# Altium PCB 4layers.PcbDoc (part 1 of 2) (continued)
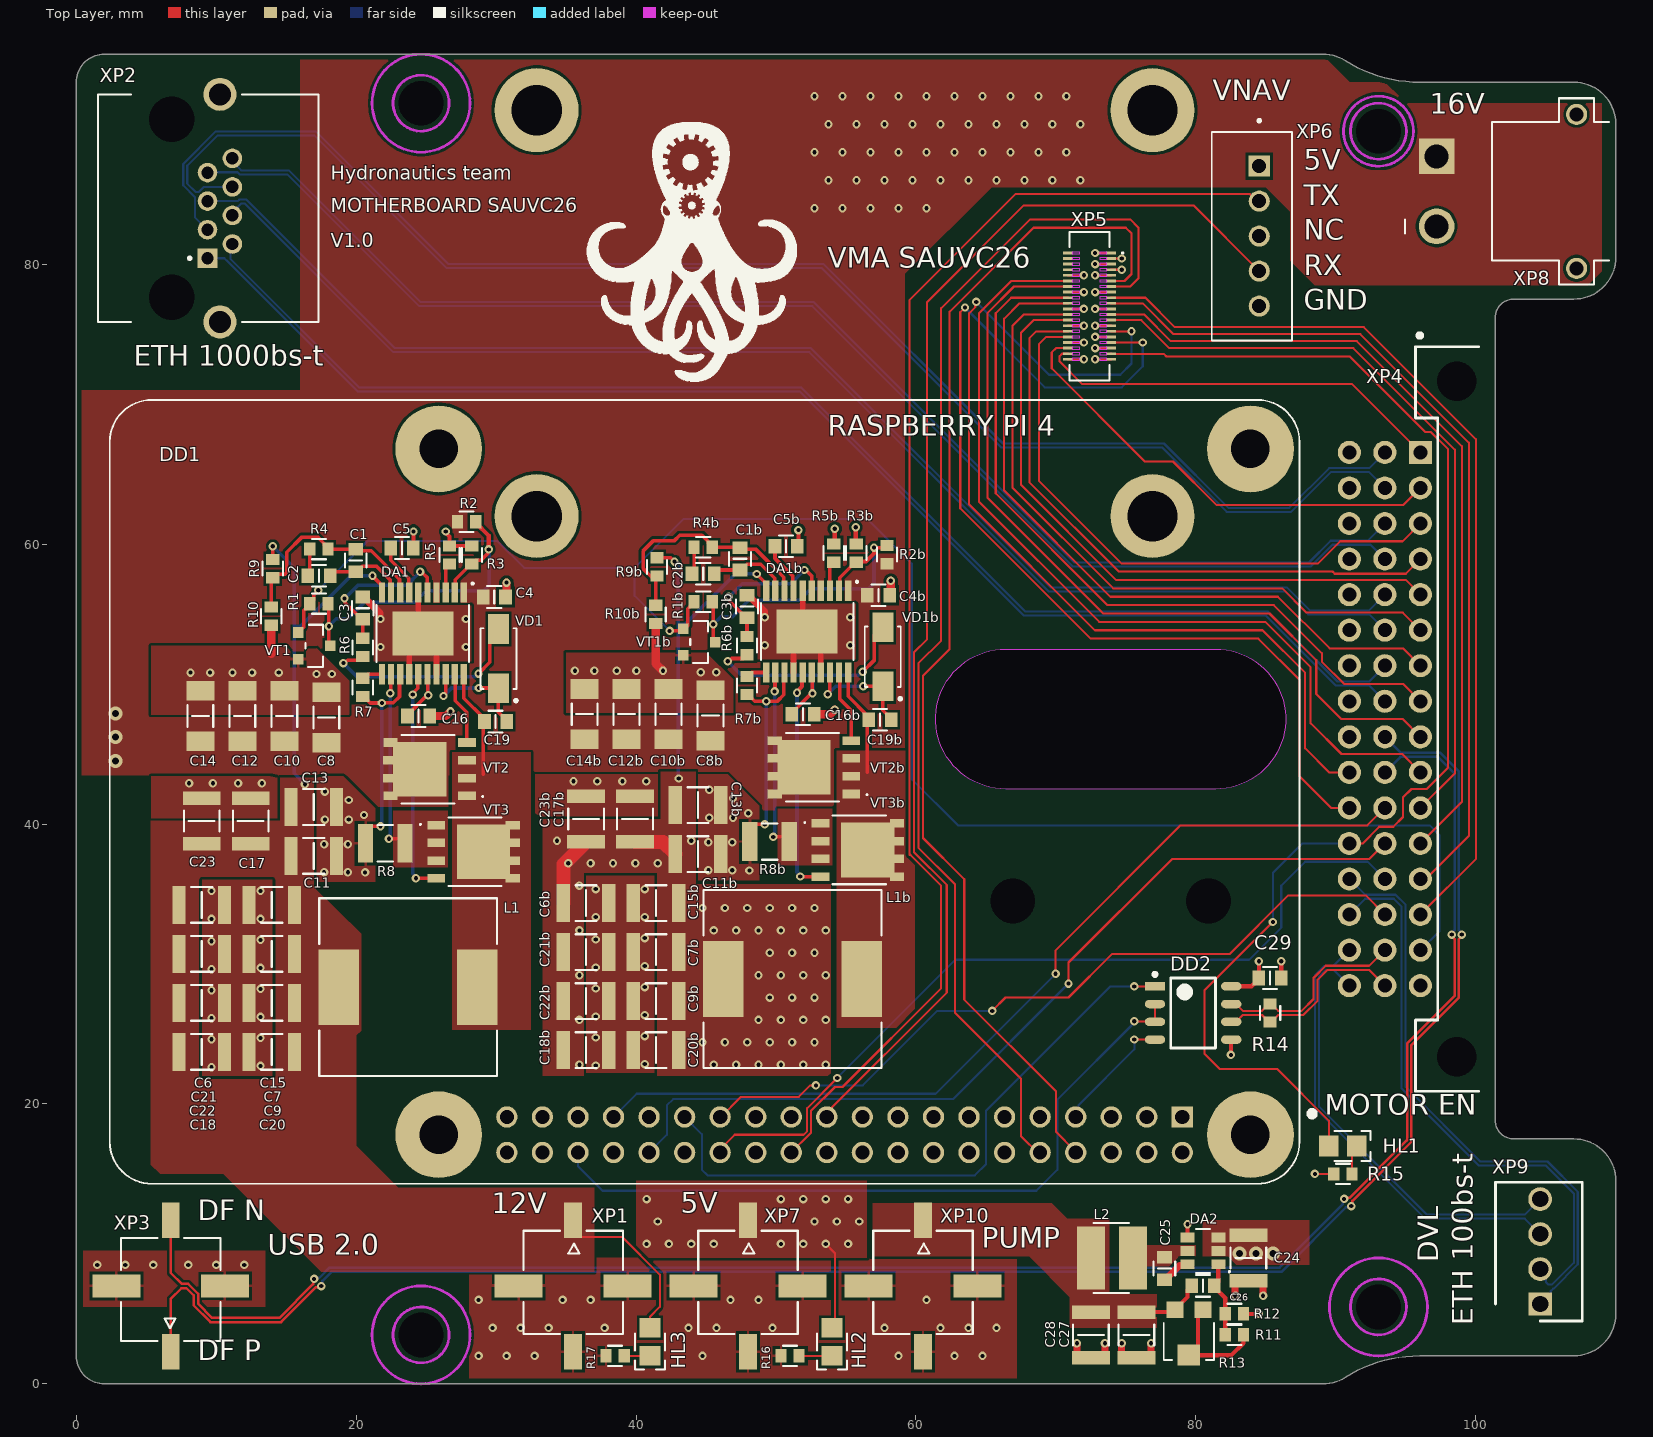
[diagram p0: Top Layer view]
## Design rules (kind name [scope] priority, off if disabled: settings) (continued)
SilkToSilkClearance Silk2SilkClearance [All] p1 off: silktosilkclearance=0.15
SilkToSolderMaskClearance Silk2SolderMaskClearance [IsPad] p1 off: minsilkscreentomaskgap=0.15 clearancetoexposedcopper=TRUE
SolderMaskExpansion vias [IsVia] p1: expansion=0.102 istentingtop=TRUE
SolderMaskExpansion "SolderMaskExpansion LDI" [All] p2: expansion=0.025 istentingtop=FALSE // Advance
SupplyNets "Schematic Supply Nets_7" [InNet('Killswitch indicator')] p1: voltage=0.000
SupplyNets "Schematic Supply Nets_3" [InNet('V_BAT_1')] p2: voltage=0.000
SupplyNets "Schematic Supply Nets" [InNet('V_BAT_2')] p3: voltage=0.000
SupplyNets "Schematic Supply Nets_6" [InNet('+5В')] p4: voltage=0.000
SupplyNets "Schematic Supply Nets_5" [InNet('GND')] p5: voltage=0.000
SupplyNets "Schematic Supply Nets_4" [InNet('+V_BAT')] p6: voltage=0.000
SupplyNets "Schematic Supply Nets_2" [InNet('+12В_JETSON')] p7: voltage=0.000
SupplyNets "Schematic Supply Nets_1" [InNet('+V_PUMP')] p8: voltage=0.000
UnRoutedNet [All] p1: checkbadconnections=TRUE
Width "Width 1/2 Oz" [All] p1: maxlimit=10 minlimit=0.125 preferedwidth=0.15 checkconnectedcopper=TRUE
19 further rules are at their usual default settings.

## Classes and differential pairs
net class USB: GA_N GA_P
net class Ethernet: "ETH 1_N" "ETH 1_P" "ETH 2_N" "ETH 2_P" "ETH 3_N" "ETH 3_P" "ETH 4_N" "ETH 4_P" eth_5_N eth_5_P eth_6_N eth_6_P
component class DCDC_pump: C24 C25 C26 C27 C28 DA2 L2 R11 R12 R13 XP10
component class DCDC_RPI: C1b C2b C3b C4b C5b C6b C7b C8b C9b C10b C11b C12b C13b C14b C15b C16b C17b C18b C19b C20b C21b C22b C23b DA1b L1b R1b R2b R3b R4b R5b R6b R7b R8b R9b R10b VD1b VT1b VT2b VT3b
component class DCDC_Jetson: C1 C2 C3 C4 C5 C6 C7 C8 C9 C10 C11 C12 C13 C14 C15 C16 C17 C18 C19 C20 C21 C22 C23 DA1 L1 R1 R2 R3 R4 R5 R6 R7 R8 R9 R10 VD1 VT1 VT2 VT3
component class Sheet1: 2 C29 DD1 DD2 R14
component class Connectors: HL1 HL2 HL3 R15 R16 R17 XP1 XP2 XP3 XP4 XP5 XP6 XP7 XP8 XP9
differential pair "ETH 4": +"ETH 4_P" -"ETH 4_N"
differential pair "ETH 3": +"ETH 3_P" -"ETH 3_N"
differential pair "ETH 2": +"ETH 2_P" -"ETH 2_N"
differential pair "ETH 1": +"ETH 1_P" -"ETH 1_N"
differential pair GA: +GA_P -GA_N
differential pair eth_6: +eth_6_P -eth_6_N
differential pair eth_5: +eth_5_P -eth_5_N
differential pair RS485: +RS485_P -RS485_N

## Components (designator, comment, footprint, x,y, rotation, side; value= is the part's Value field where it differs from the comment)
C1 "Capacitor" 0603C 19.969,58.817 r90 top value="0,01 н"
C1b "Capacitor" 0603C 47.427,58.948 r90 top value="0,01 н"
C2 "Capacitor" 0603C 17.342,57.744 r180 top value="0,15 н"
C2b "Capacitor" 0603C 44.8,57.875 r180 top value="0,15 н"
C3 "Capacitor" 0603C 20.469,55.417 r270 top value="0,75 н"
C3b "Capacitor" 0603C 47.927,55.548 r270 top value="0,75 н"
C4 "Capacitor" 0603C 29.869,56.217 r180 top value="0,1 мк"
C4b "Capacitor" 0603C 57.327,56.348 r180 top value="0,1 мк"
C5 "Capacitor" 0603C 23.269,59.717 r180 top value="10 н"
C5b "Capacitor" 0603C 50.727,59.848 r180 top value="10 н"
C6 "Capacitor" 1210C 8.969,34.217 r180 top value="22 мк"
C6b "Capacitor" 1210C 36.427,34.348 r180 top value="22 мк"
C7 "Capacitor" 1210C 13.969,30.717 r0 top value="22 мк"
C7b "Capacitor" 1210C 41.427,30.848 r0 top value="22 мк"
C8 "Capacitor" 1206C 17.869,47.617 r270 top value="2,2 мк"
C8b "Capacitor" 1206C 45.327,47.748 r270 top value="2,2 мк"
C9 "Capacitor" 1210C 13.969,27.217 r0 top value="22 мк"
C9b "Capacitor" 1210C 41.427,27.348 r0 top value="22 мк"
C10 "Capacitor" 1206C 14.869,47.717 r270 top value="2,2 мк"
C10b "Capacitor" 1206C 42.327,47.848 r270 top value="2,2 мк"
C11 "Capacitor" 1210C 16.969,37.717 r180 top value="22 мк"
C11b "Capacitor" 1210C 44.427,37.848 r180 top value="22 мк"
C12 "Capacitor" 1206C 11.869,47.717 r270 top value="2,2 мк"
C12b "Capacitor" 1206C 39.327,47.848 r270 top value="2,2 мк"
C13 "Capacitor" 1210C 16.969,41.217 r180 top value="22 мк"
C13b "Capacitor" 1210C 44.427,41.348 r180 top value="22 мк"
C14 "Capacitor" 1206C 8.869,47.717 r270 top value="2,2 мк"
C14b "Capacitor" 1206C 36.327,47.848 r270 top value="2,2 мк"
C15 "Capacitor" 1210C 13.969,34.217 r0 top value="22 мк"
C15b "Capacitor" 1210C 41.427,34.348 r0 top value="22 мк"
C16 "Capacitor" 0603C 24.469,47.717 r0 top value="1 мк"
C16b "Capacitor" 0603C 51.927,47.848 r0 top value="1 мк"
C17 "Capacitor" 1210C 12.469,40.217 r270 top value="22 мк"
C17b "Capacitor" 1210C 39.927,40.348 r270 top value="22 мк"
C18 "Capacitor" 1210C 8.969,23.717 r180 top value="22 мк"
C18b "Capacitor" 1210C 36.427,23.848 r180 top value="22 мк"
C19 "Capacitor" 0603C 29.969,47.317 r180 top value="1 мк"
C19b "Capacitor" 0603C 57.427,47.448 r180 top value="1 мк"
C20 "Capacitor" 1210C 13.969,23.717 r0 top value="22 мк"
C20b "Capacitor" 1210C 41.427,23.848 r0 top value="22 мк"
C21 "Capacitor" 1210C 8.969,30.717 r180 top value="22 мк"
C21b "Capacitor" 1210C 36.427,30.848 r180 top value="22 мк"
C22 "Capacitor" 1210C 8.969,27.217 r180 top value="22 мк"
C22b "Capacitor" 1210C 36.427,27.348 r180 top value="22 мк"
C23 "Capacitor" 1210C 8.969,40.217 r270 top value="22 мк"
C23b "Capacitor" 1210C 36.427,40.348 r270 top value="22 мк"
C24 "Capacitor" 1210C 83.75,9 r90 top value="10 мк"
C25 "Capacitor" 0603C 77.75,8.25 r90 top value="0,1 мк"
C26 "Capacitor" 0603C 80.5,7 r180 top value="100 п"
C27 "Capacitor" 1210C 75.75,3.5 r90 top value="22 мк"
C28 "Capacitor" 1210C 72.5,3.5 r90 top value="22 мк"
C29 "Capacitor" 0603C 85.3,29 r0 top value="0,1 мк"
DA1 "LM5116MH" HTSSOP-20 24.769,53.617 r270 top
DA1b "LM5116MH" HTSSOP-20 52.227,53.748 r270 top
DA2 "AP63200" TSOT26 80.5,9.5 r90 top
DD1 "RPI" RPI 44.9,42.3 r180 top locked
DD2 "MAX485CSA" SOIC-8 79.8,26.5 r0 top
HL1 "LED" 0805D 90.5,17 r0 top
HL2 "LED" 0805D 54,3 r270 top
HL3 "LED" 0805D 41,3 r270 top
L1 "CDSPRH127-150M" SPRH127 23.969,28.217 r180 top value="15 мк"
L1b "CDSPRH127-150M" SPRH127 51.427,28.798 r180 top value="15 мк"
L2 "SP43-150K" SP43 74,9 r180 top value="15 мк"
R1 "Resistor" 0603R 17.342,55.744 r0 top value=N/A
R1b "Resistor" 0603R 44.8,55.875 r0 top value=N/A
R2 "Resistor" 0603R 27.9,61.6 r180 top value="33 к"
R2b "Resistor" 0603R 57.927,59.248 r270 top value="33 к"
R3 "Resistor" 0603R 28.269,59.217 r270 top value="5.6 к"
R3b "Resistor" 0603R 55.727,59.348 r270 top value="5.6 к"
R4 "Resistor" 0603R 17.342,59.644 r0 top value="180 к"
R4b "Resistor" 0603R 44.8,59.775 r0 top value="180 к"
R5 "Resistor" 0603R 26.669,59.217 r270 top value="12,4 к"
R5b "Resistor" 0603R 54.127,59.348 r270 top value="12,4 к"
R6 "Resistor" 0603R 20.469,52.617 r90 top value="470 к"
R6b "Resistor" 0603R 47.927,52.748 r90 top value="470 к"
R7 "Resistor" 0603R 20.469,49.767 r270 top value="10 к"
R7b "Resistor" 0603R 47.927,49.898 r270 top value="10 к"
R8 "Resistor" 1210R 22.082,38.617 r0 top value="10 м"
R8b "Resistor" 1210R 49.54,38.748 r0 top value="10 м"
R9 "Resistor" 0603R 14.042,58.244 r90 top value="10,7 к"
R9b "Resistor" 0603R 41.5,58.375 r90 top value="4,7 к"
R10 "Resistor" 0603R 13.942,54.844 r90 top value="1,21 к"
R10b "Resistor" 0603R 41.4,54.975 r90 top value="1,5 к"
R11 "Resistor" 0603R 82.75,3.5 r0 top value="18 к"
R12 "Resistor" 0603R 82.75,5 r180 top value="3,9 к"
R13 "TC33X-2-503E" 3mm_trim 79.5,3.5 r270 top value="50 к"
R14 "Resistor" 0603R 85.3,26.5 r90 top value=120
R15 "Resistor" 0603R 90.5,15 r0 top value="2,2 к"
R16 "Resistor" 0603R 51,2 r0 top value="2,2 к"
R17 "Resistor" 0603R 38.5,2 r0 top value="10 к"
VD1 "ES1D-E3/61T" SMA 30.169,51.817 r90 top
VD1b "ES1D-E3/61T" SMA 57.627,51.948 r90 top
VT1 "PDTC114ET" SOT23-3 16.993,52.734 r0 top
VT1b "PDTC114ET" SOT23-3 44.5,53 r0 top
VT2 "SIR426DP-T1-GE3" PowerPAK_SO-8 25.369,43.917 r180 top
VT2b "SIR426DP-T1-GE3" PowerPAK_SO-8 52.827,44.048 r180 top
VT3 "SIR426DP-T1-GE3" PowerPAK_SO-8 28.269,38.017 r0 top
VT3b "SIR426DP-T1-GE3" PowerPAK_SO-8 55.727,38.148 r0 top
XP1 "430450218" Molex_430450218 35.5,7 r180 top
XP2 "1-406541-5" 1-406541-5 9,84 r270 top
XP3 "430450218" Molex_430450218 6.75,7 r0 top
XP4 "DIN41612_48_3row_right_angle_male" DIN41612_48_3row_right_angle_male 101.5,47.5 r90 top locked
XP5 "DF40C-40DS" DF40C-40DS 72.4,77 r90 top locked
XP6 "CWF-5" CWF-5 84,82 r90 top
XP7 "430450218" Molex_430450218 48,7 r180 top
XP8 "XT30PW-M" XT30PW-M 107.2,85.2 r270 top locked
XP9 "KK5045-04AG" KK5045-04AG 104.6,5.7 r270 top
XP10 "430450218" Molex_430450218 60.5,7 r180 top

## Footprints (in the part's own frame and the unit in brackets; to place one, negate y for a bottom-side part, rotate by r counter-clockwise, add the part's x,y. Pads: shape width x height; smd on the part's side, far side on the other; paste and mask are expansions set on the pad)
1-406541-5 [mm]
  rect 1.398x1.398 hole 0.89: 1(3.58,0.38)
  round 1.398 hole 0.89: 2(2.56,2.16) 3(1.54,0.38) 4(0.52,2.16) 5(-0.5,0.38) 6(-1.52,2.16) 7(-2.54,0.38) 8(-3.56,2.16)
  round 2.355 hole 1.57: MH1(8.13,1.27) MH2(-8.13,1.27)
  round 0 hole 3.25 unplated mask+1.725: ""(-6.35,-2.16) ""(6.35,-2.16)
  silkscreen extent -8.13,-7.44 8.13,8.3, body extent -8.14,-7.44 8.13,8.3, height 13.4
3mm_trim [mm]
  rect 1.2x1.2 smd: 1(-1.8,1) 3(-1.8,-1)
  rect 1.5x1.6 smd: 2(1.45,0)
  silkscreen extent -0.85,-1.8 1.8,1.8, body extent -1.9,-1.5 1.9,1.5, height 1.19
0603C [mm] "Chip Resistor, 2-Leads, Body 1,40x0,80mm, IPC Medium Density"
  rect 0.9x1.05 smd: 1(-0.8,0) 2(0.8,0)
  silkscreen extent -0.5,-0.77 0.5,0.77, body extent -0.85,-0.45 0.85,0.45, height 0.9
0603R [mm] "Chip Resistor, 2-Leads, Body 1.60x0.85mm, IPC Medium Density"
  rect 0.8x0.95 smd: 1(-0.65,0) 2(0.65,0)
  silkscreen extent -0.5,-0.72 0.5,0.72, body extent -0.87,-0.47 0.88,0.48, height 0.9
0805D [mm]
  rect 1.4x1.5 smd: 1(-1,0) 2(1,0)
  silkscreen extent -0.6,-1.07 1.97,1.07, body extent -1.07,-0.7 1.07,0.7, height 0.7
1206C [mm]
  rect 1.4x2 smd paste+0: 1(-1.8,0) 2(1.8,0)
  silkscreen extent -0.77,-0.92 0.77,0.92, body extent -1.6,-0.74 1.6,0.86, height 1.59
1210C [mm]
  rect 0.954x2.706 smd paste+0: 1(-1.625,0) 2(1.625,0)
  silkscreen extent -0.75,-1.28 0.75,1.28, body extent -2.35,-1.6 2.35,1.6, height 0.25
1210R [mm]
  rect 1.1x2.77 smd: 1(-1.413,0) 2(1.413,0)
  silkscreen extent -0.55,-1.3 0.55,1.3, body extent -1.55,-1.3 1.55,1.3, height 0.65
CWF-5 [mm] "B5B-XH-A"
  rect 1.508x1.508 / inner round 1.508 / far side rect 1.508x1.508 hole 1: 1(5,-0.525)
  round 1.508 hole 1: 2(2.5,-0.525) 3(0,-0.525) 4(-2.5,-0.525) 5(-5,-0.525)
  silkscreen extent -7.45,-2.88 8.35,2.88, body extent -7.45,-2.88 7.45,2.88, height 7
DF40C-40DS [mm]
  rect 0.2x0.7 smd paste-1: 1(3.8,-1.54) 2(3.8,1.54) 3(3.4,-1.54) 4(3.4,1.54) 5(3,-1.54) 6(3,1.54) 7(2.6,-1.54) 8(2.6,1.54) 9(2.2,-1.54) 10(2.2,1.54) 11(1.8,-1.54) 12(1.8,1.54) 13(1.4,-1.54) 14(1.4,1.54) 15(1,-1.54) 16(1,1.54) 17(0.6,-1.54) 18(0.6,1.54) 19(0.2,-1.54) 20(0.2,1.54) 21(-0.2,-1.54) 22(-0.2,1.54) 23(-0.6,-1.54) 24(-0.6,1.54) 25(-1,-1.54) 26(-1,1.54) 27(-1.4,-1.54) 28(-1.4,1.54) 29(-1.8,-1.54) 30(-1.8,1.54) 31(-2.2,-1.54) 32(-2.2,1.54) 33(-2.6,-1.54) 34(-2.6,1.54) 35(-3,-1.54) 36(-3,1.54) 37(-3.4,-1.54) 38(-3.4,1.54) 39(-3.8,-1.54) 40(-3.8,1.54)
  round 6 / inner round 4.5 / far side round 4.5 hole 3.6: NC(-15,39.5) NC(-15,-4.5) NC(14,-4.5) NC(14,39.5)
  Top Layer keep-out region: -3.9,-0.75 -3.7,-0.75 -3.7,-1.19 -3.9,-1.19
  Top Layer keep-out region: -3.9,1.19 -3.7,1.19 -3.7,0.75 -3.9,0.75
  Top Layer keep-out region: -3.5,-0.75 -3.3,-0.75 -3.3,-1.19 -3.5,-1.19
  Top Layer keep-out region: -3.5,1.19 -3.3,1.19 -3.3,0.75 -3.5,0.75
  Top Layer keep-out region: -3.1,-0.75 -2.9,-0.75 -2.9,-1.19 -3.1,-1.19
  Top Layer keep-out region: -3.1,1.19 -2.9,1.19 -2.9,0.75 -3.1,0.75
  Top Layer keep-out region: -2.7,-0.75 -2.5,-0.75 -2.5,-1.19 -2.7,-1.19
  Top Layer keep-out region: -2.7,1.19 -2.5,1.19 -2.5,0.75 -2.7,0.75
  Top Layer keep-out region: -2.3,-0.75 -2.1,-0.75 -2.1,-1.19 -2.3,-1.19
  Top Layer keep-out region: -2.3,1.19 -2.1,1.19 -2.1,0.75 -2.3,0.75
  Top Layer keep-out region: -1.9,-0.75 -1.7,-0.75 -1.7,-1.19 -1.9,-1.19
  Top Layer keep-out region: -1.9,1.19 -1.7,1.19 -1.7,0.75 -1.9,0.75
  Top Layer keep-out region: -1.5,-0.75 -1.3,-0.75 -1.3,-1.19 -1.5,-1.19
  Top Layer keep-out region: -1.5,1.19 -1.3,1.19 -1.3,0.75 -1.5,0.75
  Top Layer keep-out region: -1.1,-0.75 -0.9,-0.75 -0.9,-1.19 -1.1,-1.19
  Top Layer keep-out region: -1.1,1.19 -0.9,1.19 -0.9,0.75 -1.1,0.75
  Top Layer keep-out region: -0.7,-0.75 -0.5,-0.75 -0.5,-1.19 -0.7,-1.19
  Top Layer keep-out region: -0.7,1.19 -0.5,1.19 -0.5,0.75 -0.7,0.75
  Top Layer keep-out region: -0.3,-0.75 -0.1,-0.75 -0.1,-1.19 -0.3,-1.19
  Top Layer keep-out region: -0.3,-0.75 -0.1,-0.75 -0.1,-1.19 -0.3,-1.19
  Top Layer keep-out region: -0.3,1.19 -0.1,1.19 -0.1,0.75 -0.3,0.75
  Top Layer keep-out region: -0.3,1.19 -0.1,1.19 -0.1,0.75 -0.3,0.75
  Top Layer keep-out region: -0.3,1.19 -0.1,1.19 -0.1,0.75 -0.3,0.75
  Top Layer keep-out region: -0.3,-0.75 -0.1,-0.75 -0.1,-1.19 -0.3,-1.19
  Top Layer keep-out region: 0.1,-0.75 0.3,-0.75 0.3,-1.19 0.1,-1.19
  Top Layer keep-out region: 0.1,1.19 0.3,1.19 0.3,0.75 0.1,0.75
  Top Layer keep-out region: 0.5,-0.75 0.7,-0.75 0.7,-1.19 0.5,-1.19
  Top Layer keep-out region: 0.5,1.19 0.7,1.19 0.7,0.75 0.5,0.75
  Top Layer keep-out region: 0.9,-0.75 1.1,-0.75 1.1,-1.19 0.9,-1.19
  Top Layer keep-out region: 0.9,1.19 1.1,1.19 1.1,0.75 0.9,0.75
  Top Layer keep-out region: 1.3,-0.75 1.5,-0.75 1.5,-1.19 1.3,-1.19
  Top Layer keep-out region: 1.7,1.19 1.9,1.19 1.9,0.75 1.7,0.75
  Top Layer keep-out region: 2.1,-0.75 2.3,-0.75 2.3,-1.19 2.1,-1.19
  Top Layer keep-out region: 2.1,1.19 2.3,1.19 2.3,0.75 2.1,0.75
  Top Layer keep-out region: 2.5,-0.75 2.7,-0.75 2.7,-1.19 2.5,-1.19
  Top Layer keep-out region: 2.5,1.19 2.7,1.19 2.7,0.75 2.5,0.75
  Top Layer keep-out region: 2.9,-0.75 3.1,-0.75 3.1,-1.19 2.9,-1.19
  Top Layer keep-out region: 2.9,1.19 3.1,1.19 3.1,0.75 2.9,0.75
  Top Layer keep-out region: 3.3,-0.75 3.5,-0.75 3.5,-1.19 3.3,-1.19
  Top Layer keep-out region: 3.3,1.19 3.5,1.19 3.5,0.75 3.3,0.75
  Top Layer keep-out region: 3.7,-0.75 3.9,-0.75 3.9,-1.19 3.7,-1.19
  Top Layer keep-out region: 3.7,1.19 3.9,1.19 3.9,0.75 3.7,0.75
  Top Layer keep-out region: 1.3,1.19 1.5,1.19 1.5,0.75 1.3,0.75
  Top Layer keep-out region: 1.7,-0.75 1.9,-0.75 1.9,-1.19 1.7,-1.19
  silkscreen extent -5.3,-2.42 5.3,1.44, body extent -18,-7.5 17,42.5, height 11.46
DIN41612_48_3row_right_angle_male [mm]
  rect 1.65x1.65 hole 1: A1(19.05,5.46)
  round 1.65 hole 1: A2(16.51,5.46) A3(13.97,5.46) A4(11.43,5.46) A5(8.89,5.46) A6(6.35,5.46) A7(3.81,5.46) A8(1.27,5.46) A9(-1.27,5.46) A10(-3.81,5.46) A11(-6.35,5.46) A12(-8.89,5.46) A13(-11.43,5.46) A14(-13.97,5.46) A15(-16.51,5.46) A16(-19.05,5.46) B1(19.05,8) B2(16.51,8) B3(13.97,8) B4(11.43,8) B5(8.89,8) B6(6.35,8) B7(3.81,8) B8(1.27,8) B9(-1.27,8) B10(-3.81,8) B11(-6.35,8) B12(-8.89,8) B13(-11.43,8) B14(-13.97,8) B15(-16.51,8) B16(-19.05,8) C1(19.05,10.54) C2(16.51,10.54) C3(13.97,10.54) C4(11.43,10.54) C5(8.89,10.54) C6(6.35,10.54) C7(3.81,10.54) C8(1.27,10.54) C9(-1.27,10.54) C10(-3.81,10.54) C11(-6.35,10.54) C12(-8.89,10.54) C13(-11.43,10.54) C14(-13.97,10.54) C15(-16.51,10.54) C16(-19.05,10.54)
  round 0 hole 2.8 unplated mask+1.5: ""(-24.13,2.86) ""(24.13,2.86)
  silkscreen extent -26.6,1.3 27.55,5.8, body extent -26.63,-7.24 26.63,10.84, height 9.3
HTSSOP-20 [mm]
  rect 1.45x0.45 smd: 1(-2.925,2.925) 2(-2.925,2.275) 3(-2.925,1.625) 4(-2.925,0.975) 5(-2.925,0.325) 6(-2.925,-0.325) 7(-2.925,-0.975) 8(-2.925,-1.625) 9(-2.925,-2.275) 10(-2.925,-2.925) 11(2.925,-2.925) 12(2.925,-2.275) 13(2.925,-1.625) 14(2.925,-0.975) 15(2.925,-0.325) 16(2.925,0.325) 17(2.925,0.975) 18(2.925,1.625) 19(2.925,2.275) 20(2.925,2.925)
  rect 3.15x4.35 smd: 21(0,0)
  silkscreen extent -3.61,-3.3 2.03,3.61, body extent -3.21,-3.25 3.21,3.25, height 1
KK5045-04AG [mm]
  rect 1.65x1.65 / inner round 1.65 / far side rect 1.65x1.65 hole 1.15: 1(0,0)
  round 1.7 hole 1.15: 2(-2.5,0) 3(-5,0) 4(-7.5,0)
  silkscreen extent -8.7,-3.2 1.2,3, body extent -8.5,-3.2 1,2.6, height 11.75
Molex_430450218 [mm]
  rect 3.43x1.65 smd mask+0.076: 0(-3.885,0) 0(3.885,0)
  rect 1.27x2.54 smd mask+0.076: 1(0,-4.7) 2(0,4.7)
  silkscreen extent -3.56,-3.94 3.56,3.43, body extent -5.32,-5.6 5.33,5.6, height 9.96
PowerPAK_SO-8 [mm]
  rect 1.27x0.61 smd: 1(-2.543,1.905) 2(-2.543,0.635) 3(-2.543,-0.635) 4(-2.543,-1.905)
  rect 1.02x0.61 smd: 5(2.921,-1.905) 8(2.921,1.905)
  rect 0.71x0.61 smd: 6(3.077,-0.635) 7(3.077,0.635)
  rect 3.81x3.91 smd: 9(0.83,0)
  silkscreen extent -3.72,-2.45 2.13,2.45, body extent -2.95,-2.58 3.2,2.58, height 1.12
RPI [mil]
  rect 60x60 / inner round 60 / far side rect 60x60 hole 40: 1(-1343.7,914.57)
  round 60 hole 40: 2(-1343.7,1014.57) 3(-1243.7,914.57) 4(-1243.7,1014.57) 5(-1143.7,914.57) 6(-1143.7,1014.57) 7(-1043.7,914.57) 8(-1043.7,1014.57) 9(-943.7,914.57) 10(-943.7,1014.57) 11(-843.7,914.57) 12(-843.7,1014.57) 13(-743.7,914.57) 14(-743.7,1014.57) 15(-643.7,914.57) 16(-643.7,1014.57) 17(-543.7,914.57) 18(-543.7,1014.57) 19(-443.7,914.57) 20(-443.7,1014.57) 21(-343.7,914.57) 22(-343.7,1014.57) 23(-243.7,914.57) 24(-243.7,1014.57) 25(-143.7,914.57) 26(-143.7,1014.57) 27(-43.7,914.57) 28(-43.7,1014.57) 29(56.3,914.57) 30(56.3,1014.57) 31(156.3,914.57) 32(156.3,1014.57) 33(256.3,914.57) 34(256.3,1014.57) 35(356.3,914.57) 36(356.3,1014.57) 37(456.3,914.57) 38(456.3,1014.57) 39(556.3,914.57) 40(556.3,1014.57)
  round 244.09 hole 108.27: S1(-1535.43,964.57) S2(748.03,964.57) S3(748.03,-964.57) S4(-1535.43,-964.57)
  silkscreen extent -1717,-1102 1673,1102, body extent -1680,-1188 1777,1095, height 1122
SMA [mm]
  rect 2.12x1.5 smd: 1(2.115,0) 2(-2.115,0)
  silkscreen extent -3.1,-1.35 2.16,1.28, body extent -2.57,-1.28 2.57,1.28, height 2.5
SOIC-8 [mm] "for operational amplifier"
  rect 1.45x0.6 smd: 1(-2.725,1.905)
  oval 1.45x0.6 smd: 2(-2.725,0.635) 3(-2.725,-0.635) 4(-2.725,-1.905) 5(2.725,-1.905) 6(2.725,-0.635) 7(2.725,0.635) 8(2.725,1.905)
  silkscreen extent -2.85,-2.5 1.6,2.88, body extent -3,-2.5 3,2.5, height 1.75
SOT23-3 [mil]
  rect 30x30 smd: 1(-44.29,37.4) 2(-44.29,-37.6) 3(45.71,-0.1)
  silkscreen extent -25,-59 26,59, body extent -48,-60 50,59, height 41
SP43 [mm]
  rect 2x4.5 smd: 1(-1.5,0) 2(1.5,0)
  silkscreen extent -1.2,-2.5 1.3,2.5, body extent -2,-2.22 2,2.22, height 3.19
SPRH127 [mm]
  rect 2.9x5.4 smd: 1(-4.696,-0.127) 2(5.204,-0.127)
  silkscreen extent -6.1,-6.48 6.6,6.22, body extent -5.75,-6.13 6.25,5.87, height 8.05
TSOT26 [mm]
  rect 0.7x1 smd: 1(-0.95,-1.1) 2(0,-1.1) 3(0.95,-1.1) 4(0.95,1.1) 5(0,1.1) 6(-0.95,1.1)
  silkscreen extent -1.58,-1.95 1.57,0.5, body extent -1.5,-1.4 1.5,1.4, height 1.01
XT30PW-M [mm]
  round 1.508 hole 1: 0(-5.5,0) 0(5.5,0)
  round 2.55 hole 1.7: N(2.5,-10)
  rect 2.55x2.55 / inner round 2.55 / far side rect 2.55x2.55 hole 1.7: P(-2.5,-10)
  silkscreen extent -6.65,-12.25 6.65,2.32, body extent -6.65,-11 6.65,2.95, height 5

## Part data
C1 C1b: library part Capacitor_0,01n_10_50V_X7R_0603C, "Конденсатор", Capacity (nF)=0,01, Dielectric=X7R, Tolerance=0,1, Voltage (V)=50, Library Path2=Schematic\Capacitor.SchLib, Part Number=Capacitor_0,01n_10_50V_X7R_0603C
C2 C2b: library part Capacitor_0,15n_10_50V_X7R_0603C, "Конденсатор", Capacity (nF)=0,15, Dielectric=X7R, Tolerance=0,1, Voltage (V)=50, Library Path2=Schematic\Capacitor.SchLib, Part Number=Capacitor_0,15n_10_50V_X7R_0603C
C3 C3b: library part Capacitor_0,75n_10_50V_X7R_0603C, "Конденсатор", Capacity (nF)=0,75, Dielectric=X7R, Tolerance=0,1, Voltage (V)=50, Library Path2=Schematic\Capacitor.SchLib, Part Number=Capacitor_0,75n_10_50V_X7R_0603C
C4 C4b C25: library part Capacitor_0,1u_10_50V_X7R_0603C, "Конденсатор", Capacity (nF)=100, Dielectric=X7R, Tolerance=0,1, Voltage (V)=50, Library Path2=Schematic\Capacitor.SchLib, Part Number=Capacitor_0,1u_10_50V_X7R_0603C
C5 C5b: library part Capacitor_10n_10_50V_X7R_0603C, "Конденсатор", Capacity (nF)=10, Dielectric=X7R, Tolerance=0,1, Voltage (V)=50, Library Path2=Schematic\Capacitor.SchLib, Part Number=Capacitor_10n_10_50V_X7R_0603C
C6 C6b C7 C7b C9 C9b C11 C11b C13 C13b C15 C15b C17 C17b C18 C18b C20 C20b C21 C21b C22 C22b C23 C23b C27 C28: library part Capacitor_22u_10_25V_X7R_1210C, "Конденсатор", Capacity (nF)=22000, Dielectric=X7R, Tolerance=0,1, Voltage (V)=25, Library Path2=Schematic\Capacitor.SchLib, Part Number=Capacitor_22u_10_25V_X7R_1210C
C8 C8b C10 C10b C12 C12b C14 C14b: library part Capacitor_2,2u_10_50V_X7R_1206C, "Конденсатор", Capacity (nF)=2200, Dielectric=X7R, Tolerance=0,1, Voltage (V)=50, Library Path2=Schematic\Capacitor.SchLib, Part Number=Capacitor_2,2u_10_50V_X7R_1206C
C16 C16b C19 C19b: library part Capacitor_1u_10_50V_X7R_0603C, "Конденсатор", Capacity (nF)=1000, Dielectric=X7R, Tolerance=0,1, Voltage (V)=50, Library Path2=Schematic\Capacitor.SchLib, Part Number=Capacitor_1u_10_50V_X7R_0603C
C24: library part Capacitor_10u_10_35V_X7R_1210C, "Конденсатор", Capacity (nF)=10000, Dielectric=X7R, Tolerance=0,1, Voltage (V)=35, Library Path2=Schematic\Capacitor.SchLib, Part Number=Capacitor_10u_10_35V_X7R_1210C
C26: library part Capacitor_100p_10_50V_X7R_0603C, "Конденсатор", Capacity (nF)=0,1, Dielectric=X7R, Voltage (V)=50, Library Path2=Schematic\Capacitor.SchLib, Part Number=Capacitor_100p_10_50V_X7R_0603C, Tolerance=0,1
C29: library part Capacitor_0,1u_10_50V_X7R_0603C, "Конденсатор 0603C ёмкостью 0,1 мк 10%, 50 В, X7R", Capacity (nF)=100, Dielectric=X7R, Tolerance=10%, Voltage (V)=50, Part Number=Capacitor_0,1u_10_50V_X7R_0603C
DA1 DA1b: "dc-dc понижающий adj 6-100v", Manufacturer_Part_Number=LM5116MH/NOPB, Part Number=LM5116MH
DA2: "DC-DC понижающий преобразователь, Vin: 3.8 - 40 В, adj, 2 А", Part Number=AP63200
DD1: "Одноплатный компьютер Raspberry PI 4B", Part Number=RPI
DD2: "RS-485 приёмопередатчик", Part Number=MAX485CSA
HL1 HL2 HL3: "Светодиод", Color={Цвет}, Part Number=LED
L1 L1b: "Индуктивность на 15 мкГн, номинальный ток 8,4 А", Current (A)=8,4, Inductance (μH)=15, Part Number=CDSPRH127-150M
L2: "Индуктивность на 15 мкГн, номинальный ток 1,3 А", Current (A)=1,3, Inductance (μH)=15, Part Number=SP43-150K
R1 R1b: library part res_0603_N/A, "посадочное место 0603 под перемычку", Tolerance=1%, Part Number=res_0603_N/A
R2 R2b: library part Resistor_33k_1_0603, "Резистор номиналом 33 кОм и точностью 1%", Tolerance=1%, Part Number=Resistor_33k_1_0603
R3 R3b: library part Resistor_2.7k_1_0603, "Резистор номиналом 2,7 кОм и точностью 1%", Tolerance=1%, Part Number=Resistor_2.7k_1_0603
R4 R4b: library part Resistor_180k_1_0603, "Резистор номиналом 180 кОм и точностью 1%", Tolerance=1%, Part Number=Resistor_180k_1_0603
R5 R5b: library part Resistor_12.4k_1_0603, "Резистор номиналом 12,4 кОм и точностью 1%", Tolerance=1%, Part Number=Resistor_12.4k_1_0603
R6 R6b: library part Resistor_470k_1_0603, "Резистор номиналом 470 кОм и точностью 1%", Tolerance=1%, Part Number=Resistor_470k_1_0603
R7 R7b: library part Resistor_10k_1_0603, "Резистор номиналом 10 кОм и точностью 1%", Tolerance=1%, Part Number=Resistor_10k_1_0603
R8 R8b: library part RL1210FR-070R01L, "Резистор номиналом 10 мОм, точностью 1%, 0.5Вт", Tolerance=1%, Part Number=RL1210FR-070R01L
R9: library part Resistor_10.7k_1_0603, "Резистор номиналом 10,7 кОм и точностью 1%", Tolerance=1%, Part Number=Resistor_10.7k_1_0603
R9b: library part Resistor_4.7k_1_0603, "Резистор номиналом 4,7 кОм и точностью 1%", Tolerance=1%, Part Number=Resistor_4.7k_1_0603
R10: library part Resistor_1.21k_1_0603, "Резистор номиналом 1,21 кОм и точностью 1%", Tolerance=1%, Part Number=Resistor_1.21k_1_0603
R10b: library part Resistor_1.5k_1_0603, "Резистор номиналом 1,5 кОм и точностью 1%", Tolerance=1%, Part Number=Resistor_1.5k_1_0603
R11: library part Resistor_18k_1_0603, "Резистор номиналом 18 кОм и точностью 1%", Tolerance=1%, Part Number=Resistor_18k_1_0603
R12: library part Resistor_3.9k_1_0603, "Резистор номиналом 3,9 кОм и точностью 1%", Tolerance=1%, Part Number=Resistor_3.9k_1_0603
R13: "Потенциометр однооборотный керметный 50кОм 0.1Вт ±25% SMD лента на катушке", Tolerance=50%, Part Number=TC33X-2-503E
R14: library part Resistor_120_1_0603, "Резистор номиналом 120 Ом и точностью 1%", Tolerance=1%, Part Number=Resistor_120_1_0603
R15 R16: library part Resistor_2.2k_1_0603, "Резистор номиналом 2,2 кОм 1%", Tolerance=1%, Part Number=Resistor_2.2k_1_0603
R17: library part Resistor_10k_1_0603, "Резистор номиналом 10 кОм 1%", Tolerance=1%, Part Number=Resistor_10k_1_0603
VD1 VD1b: "Диод 1A 200V", Current (A)=1, Repetitive peak reverse voltage (Vrrm)=200, Part Number=ES1D-E3/61T
VT1 VT1b: "цифровой npn 50в 100мА", Part Number=PDTC114ET, Напряжение С-И/К-Э="50 В", Ток макс#="0, 1 А"
VT2 VT2b VT3 VT3b: "Транзистор полевой MOSFET N-канальный 40В 41.7Вт", Part Number=SIR426DP-T1-GE3, Напряжение С-И/К-Э="40 В"
XP1 XP10: library part Molex_430450218, "Разъем типа провод-плата, 3 мм, 2 контакт(-ов), Штыревой Разъем, Серия Micro-Fit для поверхностного монтажа", Value1=+12В_JETSON, Value2=Общий, Value3=Корпус, Part Number=Molex_430450218, Value4=Корпус
XP2: library part 1-406541-5-RJ45-8p8c, "Модульный разъем, Cat5, RJ45, Гнездо, 8 контакт(-ов), 8 вывод(-ов), 1 порт(-ов)", Datasheet=https://cdn.promelec.ru/upload/items/2021/01/20/ENG_CD_406541_T.pdf, Part Number=1-406541-5-RJ45-8p8c, System=Connector, Автор=glebmih
XP3: library part Molex_430450218, "Разъем типа провод-плата, 3 мм, 2 контакт(-ов), Штыревой Разъем, Серия Micro-Fit для поверхностного монтажа", Value1=ГА_P, Value2=ГА_N, Value3=Корпус, Parameter 1="USB ГА", Part Number=Molex_430450218, Value4=Корпус
XP4: "DIN41612R (DS1120-48M0R13), Разъем (вилка) тип B 48pin (3х16), шаг 2.54мм трехрядный угловой (ряд АВC)", Datasheet=https://cdn.promelec.ru/upload/datasheet/3/1/DS1120.pdf, Parameter 1={Value}, Parameter 2={Value}, Parameter 3={Value}, Parameter 4={Value}, Parameter 5={Value}, Parameter 6={Value}, Parameter 7={Value}, Parameter 8={Value}, Parameter 9={Value}, Parameter 10={Value}, Parameter 11={Value}, Parameter 12={Value}, Parameter 13={Value}, Parameter 14={Value}, Parameter 15={Value}, Parameter 16={Value}, Part Number=DIN41612_48_3row_right_angle_male, System=Connector, Автор=glebmih
XP5: "Thruster control PCB"
XP6: "5-пиновый разъем с ключом", Value1=+5В, Value2=UART4_TX, Value3=N.C., Value5=GND, Part Number=CWF-5, System=Connector, Value4=UART4_TX
XP7: library part Molex_430450218, "Разъем типа провод-плата, 3 мм, 2 контакт(-ов), Штыревой Разъем, Серия Micro-Fit для поверхностного монтажа", Value1=+5В, Value2=GND, Value3=Корпус, Part Number=Molex_430450218, Value4=Корпус
XP8: "30 А (15 продолжительно), 2 контакта разъем угловой отец", Value1="эта плюс", Value2="это пинус", Value3=Корпус, Part Number=XT30PW-M, System=Connector
XP9: "Разъем типа провод-плата, 2.5 мм, 4 контакта", Value1={Value1}, Value2={Value2}, Value3={Value3}, Value4={Value4}, Parameter 1={Value}, Part Number=KK5045-04AG, System=Connector

## Free pads (board coordinates)
  round 0 hole 3.2 unplated mask+1.7: NC(24.64,3.5) NC(24.64,91.5) NC(66.909,34.5) NC(80.909,34.5) NC(93.04,5.5) NC(93.04,89.5)

## Via types
v1: diameter 0.6, hole 0.3, Top Layer to Bottom Layer, tented both sides, 318 vias
v2: diameter 1, hole 0.5, Top Layer to Bottom Layer, tented both sides, 6 vias
v3: diameter 0.6, hole 0.3, Top Layer to Bottom Layer, 1 vias

## Nets (pads, with @x,y where several pads share a name; then routed paths per layer and width w, separated by ;. In a path a pad name is that pad's centre, name@x,y a point inside that pad or via, vN(x,y) a via of type N, cw(c..) or ccw(c..) an arc to the next point about the centre after c; other vN are vias at no path point)
+5В: C6b.2 C7b.2 C9b.2 C11b.2 C13b.2 C15b.2 C17b.2 C18b.2 C20b.2 C21b.2 C22b.2 C23b.2 C29.1 DA1b.10 DD1.2 DD1.4 DD2.8 HL2.1 L1b.2 R9b.2 XP5.1 XP5.3 XP5.5 XP5.7 XP6.1 XP7.1 | length 79.3
  Top Layer w0.15: v1(53.55,10) 54.2,9.35 54.2,4.2 HL2.1@54,4 ; v1(72.8,80) XP5.5@73.94,80 ; v1(72.8,80.8) XP5.1@73.94,80.8 ; XP5.7@73.94,79.6 v1(74.7,79.6) ; XP5.3@73.94,80.4 v1(74.7,80.4)
  Top Layer w0.254: R9b.2@41.5,59.025 42.475,59.025 v1(42.75,58.75) ; v1(48.627,57.864) 48.627,57.848 49.302,57.173 DA1b.10@49.302,56.673
  Top Layer w0.3: DD2.8@82.525,28.405 83.98,28.405 84.5,28.925 C29.1@84.5,29 v1(84.5,30.2)
  Top Layer w1: C6b.2@34.802,34.348 34.802,37.098 C23b.2@36.427,38.723 ; C17b.2@39.927,38.723 41.927,38.723 C11b.2@42.802,37.848
  Int2 w0.6: v1(53.55,32.4) 54.45,31.5 83.197,31.5 84.497,30.2 v1(84.5,30.2)
  Bottom Layer w0.254: v1(42.75,58.75) 43.027,58.473 43.027,54.275 ; v1(43.05,43.25) 43.027,43.273 43.027,54.275 ; v1(48.627,57.864) 47.089,57.864 43.5,54.275 43.027,54.275
  other v1: 40.75,10 42.35,10 43.95,10 45.55,10 50.35,10 51.95,10 55.15,10 41.55,11.6 52.75,11.6 54.35,11.6 55.95,11.6 40.75,13.2 50.35,13.2 51.95,13.2 53.55,13.2 55.15,13.2 35.95,22.8 45.55,22.8 47.15,22.8 48.75,22.8 50.35,22.8 51.95,22.8 53.55,22.8 44.75,24.4 46.35,24.4 47.95,24.4 49.55,24.4 51.15,24.4 52.75,24.4 35.95,26 48.75,26 50.35,26 51.95,26 53.55,26 49.55,27.6 51.15,27.6 52.75,27.6 35.95,29.2 48.75,29.2 50.35,29.2 51.95,29.2 53.55,29.2 49.55,30.8 51.15,30.8 52.75,30.8 35.95,32.4 45.55,32.4 47.15,32.4 48.75,32.4 50.35,32.4 51.95,32.4 44.75,34 46.35,34 47.95,34 49.55,34 51.15,34 52.75,34 35.95,35.6 35.15,37.2 36.75,37.2 38.35,37.2 39.95,37.2 41.55,37.2 34.35,38.8 43.95,38.8
+12В_JETSON: C6.2 C7.2 C9.2 C11.2 C13.2 C15.2 C17.2 C18.2 C20.2 C21.2 C22.2 C23.2 DA1.10 HL3.1 L1.2 pad.NC@24.64,3.5 R9.2 XP1.1 | length 39.7
  Top Layer w0.15: XP1.1@35.5,11.7 35.5,11.065 36.06,10.505 38.995,10.505 41.7,7.8 41.7,5.5 41,4.8 HL3.1@41,4
  Top Layer w0.254: R9.2@14.042,58.894 v1(14.042,59.844) ; v1(21.169,57.733) 21.169,57.717 21.844,57.042 DA1.10@21.844,56.542
  Bottom Layer w0.254: v1(14.042,59.844) 14.042,59.836 15.569,58.309 15.569,54.144 ; v1(16.342,42.844) 15.569,43.617 15.569,54.144 ; v1(21.169,57.733) 19.631,57.733 16.042,54.144 15.569,54.144